# Altium PCB ST-Link-V1.0.PcbDoc
Units mm, origin at the board's own origin, x right, y up, seen from the top; angles counter-clockwise.
Board outline 30 x 15 mm, 2 copper layers (Top Layer, Bottom Layer); 47 components, 48 nets, 156 pads, 35 vias.
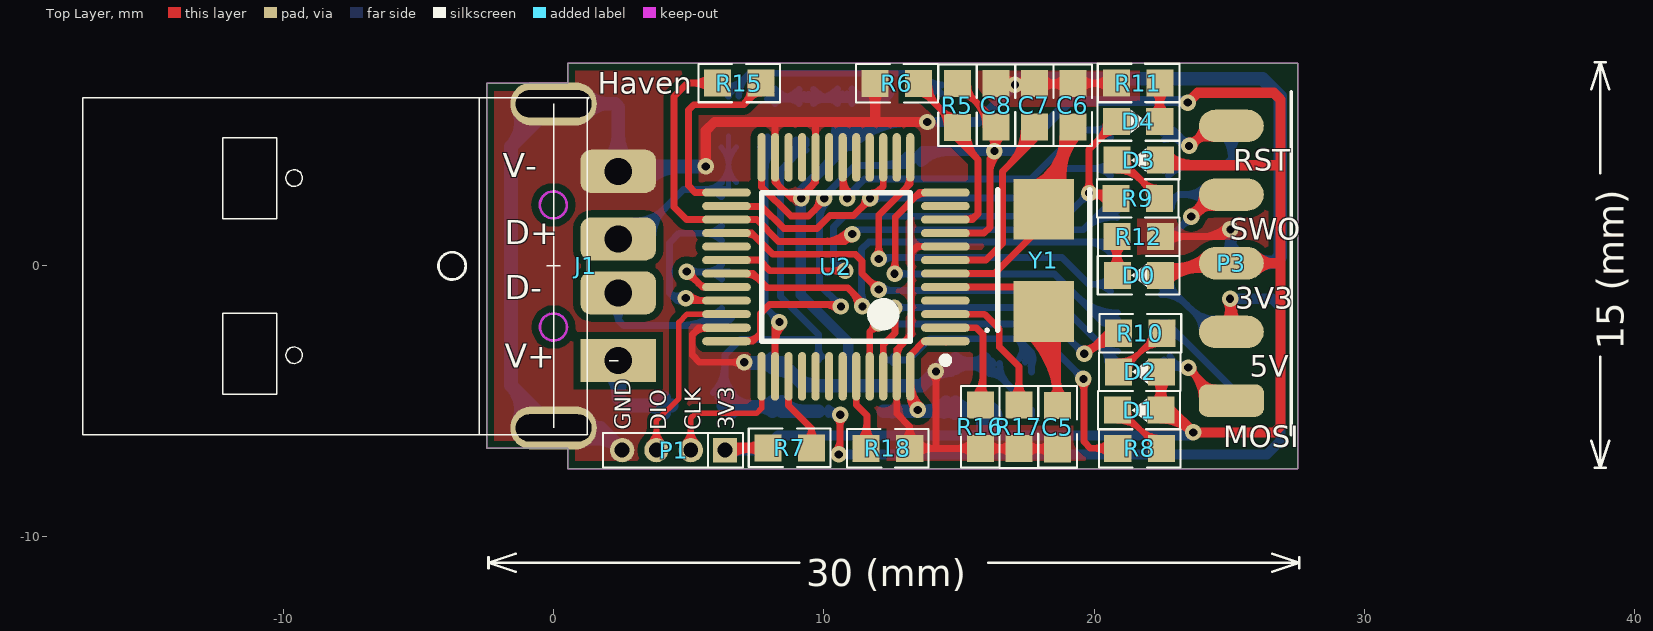
[diagram p0: Top Layer view]
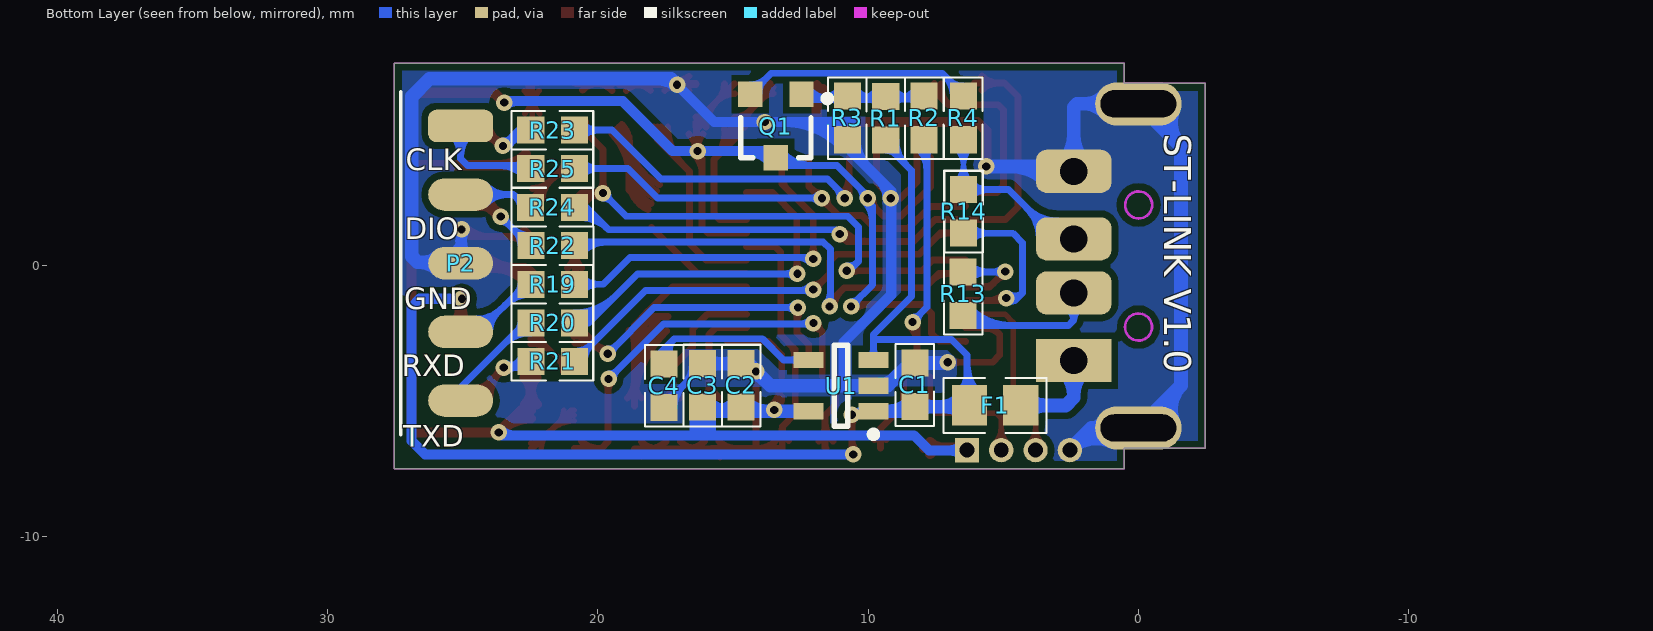
[diagram p1: Bottom Layer view, seen from below]

## Layer stack, top to bottom
Top Solder: solder mask 0.0102, Solder Resist, Dk 3.5
Top Layer: signal copper 0.0356
Dielectric1: dielectric 0.32, FR-4, Dk 4.8
Bottom Layer: signal copper 0.0356
Bottom Solder: solder mask 0.0102, Solder Resist, Dk 3.5

## Board outline
-2.477,-6.253 -2.477,6.75 0.523,6.75 0.523,7.5 27.523,7.5 27.523,-7.5 0.523,-7.5 0.523,-6.75 -2.477,-6.75

## Design rules (kind name [scope] priority, off if disabled: settings)
Clearance Clearance_GND [InPolygon] p1: gap=0.254 ignorepadtopadclearanceinfootprint=FALSE except(0: Arc-Hole Track-Hole SMDPad-Hole THPad-Hole Via-Hole Fill-Hole Poly-Hole Region-Hole Text-Hole)
Clearance [All] p2: gap=0.178 ignorepadtopadclearanceinfootprint=FALSE except(0: Arc-Hole Track-Hole SMDPad-Hole THPad-Hole Via-Hole Fill-Hole Poly-Hole Region-Hole Text-Hole)
DiffPairsRouting [All] p1: maxlimit=0.254 minlimit=0.254 mostfreqgap=0.254 toplayer_minwidth=0.381 toplayer_maxwidth=0.381 toplayer_prefwidth=0.381 bottomlayer_minwidth=0.381 bottomlayer_maxwidth=0.381 bottomlayer_prefwidth=0.381 maxuncoupledlength=12.7
HoleToHoleClearance [All] p1 off: gap=0.254 allowstackedmicrovias=TRUE
MinimumSolderMaskSliver [All] p1 off: minsoldermaskwidth=0.254
PlaneConnect [All] p1: planeconnectstyle=Direct reliefexpansion=0.508 reliefentries=4 reliefconductorwidth=0.254 reliefairgap=0.254
PolygonConnect [All] p1: connectstyle=Direct reliefconductorwidth=0.254 reliefentries=4 polygonreliefangle="90 Angle" airgapwidth=0.254
RoutingVias [All] p1: holewidth=0.305 width=0.61 viastyle="Through Hole" minholewidth=0.305 minwidth=0.61 maxholewidth=0.305 maxwidth=0.61
SilkToSilkClearance [All] p1 off: silktosilkclearance=0.254
SilkToSolderMaskClearance SilkscreenOverComponentPads [IsPad] p1 off: minsilkscreentomaskgap=0.254 clearancetoexposedcopper=TRUE
SolderMaskExpansion [All] p1: expansion=0.102
Width [All] p1: maxlimit=0.508 minlimit=0.203 preferedwidth=0.203
24 further rules are at their usual default settings.

## Classes and differential pairs
differential pair USB: +USB_P -USB_N

## Components (designator, comment, footprint, x,y, rotation, side; value= is the part's Value field where it differs from the comment)
C1 "Cap" C-0603 8.27,-4.408 r270 bottom
C2 "Cap" C-0603 14.695,-4.428 r270 bottom
C3 "Cap" C-0603 16.123,-4.428 r270 bottom
C4 "Cap" C-0603 17.548,-4.43 r90 bottom
C5 "Cap" C-0603 18.648,-5.956 r90 top
C6 "Cap" C-0603 19.209,5.941 r270 top
C7 "Cap" C-0603 17.786,5.941 r270 top
C8 "Cap" C-0603 16.368,5.939 r270 top
D0 "PWR" SMT_LED_0603 21.656,-0.347 r180 top
D1 "DIN" SMT_LED_0603 21.67,-5.338 r180 top
D2 "DOUT" SMT_LED_0603 21.696,-3.92 r180 top
D3 "LED" SMT_LED_0603 21.65,3.913 r180 top
D4 "LED" SMT_LED_0603 21.625,5.347 r0 top
F1 "Fuse1" 0805-1 5.305,-5.162 r0 bottom
J1 "USB" USB-B 1.197,-0.001 r90 top
P1 "SWD" SIP4-1.27 6.345,-6.817 r0 top
P2 "P-BOTTOM" HEADER_5 25.075,5.179 r270 bottom
P3 "P-TOP" HEADER_5 25.075,-4.981 r90 top locked
Q1 "NPN" SOT23-3 13.412,5.175 r0 bottom
R1 "Res1" 0603-1 9.347,5.454 r90 bottom
R2 "Res1" 0603-1 7.925,5.479 r270 bottom
R3 "Res1" 0603-1 10.77,5.479 r270 bottom
R4 "Res1" 0603-1 6.477,5.479 r270 bottom
R5 "Res2" 0603-1 14.942,5.928 r90 top
R6 "Res2" 0603-1 12.694,6.753 r0 top
R7 "Res2" 0603-1 8.745,-6.732 r180 top
R8 "Res2" 0603-1 21.67,-6.747 r0 top
R9 "Res2" 0603-1 21.62,2.494 r180 top
R10 "Res2" 0603-1 21.696,-2.492 r0 top
R11 "Res2" 0603-1 21.63,6.766 r0 top
R12 "Res2" 0603-1 21.657,1.085 r180 top
R13 "Res2" 0603-1 6.484,-1.036 r90 bottom
R14 "Res2" 0603-1 6.471,2.021 r270 bottom
R15 "Res2" 0603-1 6.857,6.766 r0 top
R16 "Res1" 0603-1 15.79,-5.937 r270 top
R17 "Res1" 0603-1 17.214,-5.946 r270 top
R18 "Res2" 0603-1 12.377,-6.751 r180 top
R19 "Res2" 0603-1 21.666,-0.68 r0 bottom
R20 "Res2" 0603-1 21.666,-2.106 r0 bottom
R21 "Res2" 0603-1 21.666,-3.532 r0 bottom
R22 "Res2" 0603-1 21.662,0.75 r0 bottom
R23 "Res2" 0603-1 21.667,5.022 r0 bottom
R24 "Res2" 0603-1 21.67,2.167 r0 bottom
R25 "Res2" 0603-1 21.667,3.603 r0 bottom
U1 "SPX3819" SOT23-5 11.002,-4.43 r0 bottom
U2 "STM32F103CBT6" LQFP48_N 10.446,-0.036 r180 top locked
Y1 "8M" "XAL5032 2-Leads" 18.136,0.219 r90 top

## Footprints (in the part's own frame and the unit in brackets; to place one, negate y for a bottom-side part, rotate by r counter-clockwise, add the part's x,y. Pads: shape width x height; smd on the part's side, far side on the other; paste and mask are expansions set on the pad)
0603-1 [mm]
  rect 1x1 smd: 1(-0.799,0) 2(0.813,0)
  silkscreen extent -1.5,-0.71 1.52,0.71, body extent -0.8,-0.4 0.8,0.4, height 0.3
0805-1 [mm] "080"
  rect 1.3x1.5 smd: 1(-0.95,0) 2(0.95,0)
  silkscreen extent -1.91,-1.02 1.91,1.02, body extent -1,-0.62 1,0.63, height 0.5
C-0603 [mm] "贴?"
  rect 1x1 smd: 1(-0.813,0) 2(0.799,0)
  silkscreen extent -1.51,-0.71 1.51,0.71, body extent -0.8,-0.4 0.8,0.4, height 0.3
HEADER_5 [mm]
  rrect50% 1.2x2.4 smd: 1(0,0)
  oval 1.2x2.4 smd: 2(2.54,0) 3(5.08,0) 4(7.62,0) 5(10.16,0)
  silkscreen extent -1.27,-2.21 11.43,-2.21, body extent -1.27,-10.75 11.43,0.79, height 1.78
LQFP48_N [mm] "Thin QFP, 48-Leads, Body 7x7mm, Pitch 0.5mm, IPC Medium Density"
  oval 1.8x0.3 smd: 1(-4.05,2.75) 2(-4.05,2.25) 3(-4.05,1.75) 4(-4.05,1.25) 5(-4.05,0.75) 6(-4.05,0.25) 7(-4.05,-0.25) 8(-4.05,-0.75) 9(-4.05,-1.25) 10(-4.05,-1.75) 11(-4.05,-2.25) 12(-4.05,-2.75) 25(4.05,-2.75) 26(4.05,-2.25) 27(4.05,-1.75) 28(4.05,-1.25) 29(4.05,-0.75) 30(4.05,-0.25) 31(4.05,0.25) 32(4.05,0.75) 33(4.05,1.25) 34(4.05,1.75) 35(4.05,2.25) 36(4.05,2.75)
  oval 0.3x1.8 smd: 13(-2.75,-4.05) 14(-2.25,-4.05) 15(-1.75,-4.05) 16(-1.25,-4.05) 17(-0.75,-4.05) 18(-0.25,-4.05) 19(0.25,-4.05) 20(0.75,-4.05) 21(1.25,-4.05) 22(1.75,-4.05) 23(2.25,-4.05) 24(2.75,-4.05) 37(2.75,4.05) 38(2.25,4.05) 39(1.75,4.05) 40(1.25,4.05) 41(0.75,4.05) 42(0.25,4.05) 43(-0.25,4.05) 44(-0.75,4.05) 45(-1.25,4.05) 46(-1.75,4.05) 47(-2.25,4.05) 48(-2.75,4.05)
  silkscreen extent -4.18,-2.75 2.75,3.57, body extent -3.5,-3.5 3.5,3.5, height 1.6
SIP4-1.27 [mm]
  rect 0.9x0.9 hole 0.55: 1(0,0)
  round 0.9 hole 0.55: 2(-1.27,0) 3(-2.54,0) 4(-3.81,0)
  silkscreen extent -4.52,-0.64 0.66,0.64
SMT_LED_0603 [mm] "SMT LED"
  rect 1x1 smd: 1(-0.8,0) 2(0.8,0)
  silkscreen extent -1.5,-0.71 1.52,0.71, body extent -0.81,-0.4 0.81,0.4, height 0.6
SOT23-3 [mm]
  rect 0.9x0.95 smd: 1(-0.95,-1.175) 2(0.95,-1.175) 3(0,1.175)
  silkscreen extent -2.03,-1.14 1.3,1.18, body extent -1.45,-1.4 1.45,1.4, height 1.2
SOT23-5 [mm] "Max4173"
  rect 1.1x0.6 smd: 1(-1.2,0.95) 2(-1.2,0) 3(-1.2,-0.95) 4(1.2,-0.95) 5(1.2,0.95)
  silkscreen extent -1.32,-1.5 0.25,1.92, body extent -1.4,-1.45 1.4,1.45, height 1.2
USB-B [mm]
  rect 1.6x2.8 hole 1: 1(-3.5,-1.195)
  rrect50% 1.6x2.8 hole 1: 2(-1,-1.195) 3(1,-1.195) 4(3.5,-1.195)
  oval 1.6x3.2 hole 1 slot 2.8 at 90 deg: 5(5.994,1.195) 6(-5.994,1.195)
  silkscreen extent -6.25,-1.2 6.25,18.62, body extent -6.25,-1.43 6.25,18.6, height 4.52
"XAL5032 2-Leads" [mm] "DFN, 2-Leads, Body 3.20x5.00mm, Pitch 3.70mm, IPC Low Density"
  rect 2.25x2.25 smd: 1(-1.905,0) 2(1.88,0)
  silkscreen extent -2.65,-1.7 2.6,2.15, body extent -2.6,-1.7 2.6,1.7, height 0.45

## Part data
C1 C2 C3 C4 C8: "Capacitor"
D0 D1 D2 D3 D4: library part LED2, "Typical RED, GREEN, YELLOW, AMBER GaAs LED"
F1: "保险丝"
J1: "USB接?"
P1: library part "Header 4", "Header, 4-Pin"
P2 P3: library part "Header 5", "Header, 5-Pin"
Q1: library part NPN1, "贴片"
R1 R2 R3 R4 R16 R17: "贴片"
R5 R6 R7 R8 R9 R10 R11 R12 R13 R14 R15 R18 R19 R20 R21 R22 R23 R24 R25: "Resistor"
U2: library part STM32F103C8T6, "STM32 ARM-based 32-bit MCU with 64 Kbytes Flash, 48-pin LQFP, Industrial Temperature"
Y1: library part XTAL, "Crystal Oscillator"

## Via types
v1: diameter 0.61, hole 0.305, Top Layer to Bottom Layer, 35 vias

## Nets (pads, with @x,y where several pads share a name; then routed paths per layer and width w, separated by ;. In a path a pad name is that pad's centre, name@x,y a point inside that pad or via, vN(x,y) a via of type N, cw(c..) or ccw(c..) an arc to the next point about the centre after c; other vN are vias at no path point)
3.3V: C2.2 C3.2 C8.2 D0.1 D1.1 D2.1 D3.1 P1.1 P3.3 Q1.3 R5.2 R7.2 U1.5 U2.1 U2.9 U2.24 U2.36 U2.48 | length 135.4
  Top Layer w0.254: U2.36@6.402,-2.793 U2.36 7.37,-2.787 7.652,-2.505 7.652,-1.755 7.982,-1.424 v1@10.628,-1.424 ; U2.36@7.146,-2.764 ccw(c7.146,-2.168) 7.567,-2.589 ; U2.24 7.696,2.92 8.775,1.841 9.435,1.841 10.011,2.417 v1(10.011,2.506) ; 9.644,2.05 ccw(c9.187,2.506) v1@9.833,2.506 ; 10.013,-1.424 cw(c10.013,-2.117) v1@10.503,-1.627 ; U2.48@13.196,-4.838 ccw(c13.967,-4.838) v1@13.422,-5.383 ; U2.48@13.196,-4.225 ccw(c14.58,-4.225) v1@13.601,-5.203 ; U2.48 13.196,-3.292 13.701,-2.787 U2.1 ; U2.48@13.229,-4.968 ccw(c13.558,-4.778) v1@13.502,-5.153 ; 13.272,-5.042 cw(c12.998,-5.201) v1@13.304,-5.283 ; U2.9 15.924,1.213 16.14,1.429 16.14,3.976 ; U2.1@14.522,-2.812 U2.1 ; R5.2@14.942,6.367 cw(c14.942,5.467) 15.579,6.104 cw(c16.215,6.74) R5.2@15.315,6.74 ; R5.2 16.368,5.315 C8.2 ; U2.1@15.205,-2.787 U2.1 ; 15.607,6.075 cw(c14.672,5.14) C8.2@15.995,5.14 ; 16.029,5.653 ccw(c16.368,5.992) C8.2@16.368,5.513 ; 16.041,5.641 cw(c15.539,5.14) C8.2@16.249,5.14 ; C8.2@16.104,4.876 cw(c15.506,4.278) v1@16.351,4.278 ; 16.14,3.411 cw(c17.147,3.411) v1@16.435,4.123 ; v1@16.183,4.374 ccw(c15.777,4.78) C8.2@16.351,4.78 ; v1@16.19,4.38 ccw(c16.029,4.558) 16.26,4.619 ; v1@16.221,4.403 ccw(c15.927,4.922) C8.2@16.503,4.768 ; 16.275,4.562 ccw(c16.529,4.63) v1@16.398,4.403 ; v1@16.351,4.188 C8.2@16.351,5.203 ; v1@16.351,4.201 cw(c17.307,4.201) C8.2@16.631,4.876 ; 16.351,4.575 ccw(c16.635,4.575) v1@16.435,4.374 ; D1.1 D1.1@22.835,-5.338 ; v1@23.634,-6.136 23.639,-6.136 v1(23.665,-6.162)
  Top Layer w0.381: P1.1@6.327,-6.658 6.402,-6.732 R7.2 ; P1.1@6.528,-7.001 cw(c7.177,-7.649) 7.177,-6.732 ; R7.2@7.713,-6.951 ccw(c7.185,-7.479) 7.185,-6.732 ccw(c7.185,-5.985) R7.2@7.713,-6.513 ; D1.1@22.251,-5.119 ccw(c21.723,-4.59) 22.47,-4.59 ccw(c23.217,-4.59) D1.1@22.689,-5.119 ; D2.1@22.277,-4.139 cw(c21.81,-4.606) 22.47,-4.606 ; D0.1@22.406,-0.296 cw(c22.93,-0.821) D0.1@22.93,-0.079 ; D3.1 22.635,3.728 26.885,3.728 26.89,3.724 ; D0.1 22.724,-0.079 24.897,-0.079 P3.3 26.815,0.099 26.89,0.024 ; D1.1@22.47,-5.647 cw(c22.47,-7.289) v1@23.631,-6.128 ; D1.1 22.47,-3.946 D2.1 ; D1.1@22.47,-5.266 cw(c22.47,-5.988) 22.981,-5.478 ; 22.47,-4.729 cw(c23.304,-4.729) D2.1@22.714,-4.139 ; D3.1@22.668,4.132 ccw(c23.643,5.107) 23.643,3.728 ; D0.1@22.675,-0.566 cw(c23.85,-1.74) 23.85,-0.079 ; D1.1@22.835,-5.338 22.841,-5.338 v1@23.639,-6.136 ; 23.057,-0.079 ccw(c23.057,1.518) P3.3@24.186,0.388 ; v1(23.461,6.041) 23.825,6.405 26.644,6.405 26.89,6.16 26.89,3.724 ; v1(23.665,-6.162) 26.669,-6.162 26.89,-5.942 26.89,0.024 ; P3.3@25.965,-0.191 cw(c26.664,-0.89) 26.664,0.099 cw(c26.664,1.088) P3.3@25.965,0.388 ; 26.89,0.024 26.89,3.724
  Bottom Layer w0.254: 9.841,1.667 cw(c10.85,1.667) v1@10.137,2.381 ; v1@10.011,2.684 ccw(c10.011,2.952) 10.2,2.763 ; v1@10.189,2.506 cw(c10.78,2.506) 10.362,2.924 ; 10.315,-1.174 cw(c9.987,-1.502) v1@10.451,-1.502 ; 10.35,-1.208 ccw(c10.629,-0.929) v1@10.629,-1.324 ; v1@10.628,-1.424 10.64,-1.437 10.579,-1.437 9.841,-0.699 9.841,2.21 10.011,2.38 v1(10.011,2.506) 10.011,2.574 11.148,3.711 13.123,3.711 Q1.3 ; 11.995,3.711 ccw(c11.995,5.392) Q1.3@13.184,4.203 ; 12.608,3.711 ccw(c12.608,4.779) Q1.3@13.364,4.024 ; v1@13.329,-5.476 13.424,-5.38 13.441,-5.364 v1(13.476,-5.329)
  Bottom Layer w0.381: P1.1@6.102,-6.832 P1.1 ; P1.1@6.327,-6.658 6.496,-6.826 7.749,-6.826 8.303,-6.271 15.817,-6.271 ; P1.1@6.528,-7.001 cw(c6.951,-7.423) 6.951,-6.826 ; P1.1@6.528,-6.634 ccw(c6.992,-6.17) 6.992,-6.826 ; U1.5 12.219,-5.364 v1@13.441,-5.364 ; U1.5@12.53,-5.458 cw(c12.757,-5.685) 12.757,-5.364 ; 13.116,-5.364 ccw(c13.116,-4.969) v1@13.395,-5.248 ; Q1.3 13.661,4.249 v1(16.309,4.249) 17.229,4.249 19.079,6.098 23.404,6.098 v1(23.461,6.041) ; Q1.3@13.596,3.841 cw(c14.579,2.858) 14.579,4.249 ; C2.2@14.447,-5.476 14.542,-5.38 C2.2@14.559,-5.364 ; C2.2 C2.2@14.559,-5.364 ; C2.2@14.829,-5.517 14.692,-5.38 14.675,-5.364 C2.2@14.559,-5.364 ; C3.2@15.817,-5.642 cw(c16.372,-5.642) C3.2@16.086,-5.166 ; C3.2@16.16,-5.167 cw(c15.875,-5.636) C3.2@16.424,-5.636 ; C3.2@16.252,-5.517 16.004,-5.517 C3.2@15.834,-5.517 ; 23.048,6.098 cw(c23.048,5.628) v1@23.38,5.96 ; 23.125,-6.271 ccw(c23.125,-5.622) v1@23.584,-6.081 ; v1@23.599,-6.215 23.542,-6.271 16.424,-6.271 ; 15.817,-6.271 15.817,-5.534 C3.2@15.834,-5.517 ; 15.817,-6.271 16.424,-6.271 ; C3.2@15.834,-5.517 15.971,-5.38 C3.2 16.424,-5.529 16.424,-6.271
  Bottom Layer w0.508: U1.5 13.424,-5.38 14.542,-5.38 14.692,-5.38 C3.2@15.971,-5.38 ; v1@13.733,-5.38 ccw(c13.733,-4.265) C2.2@14.521,-5.054 ; C2.2@14.869,-5.054 ccw(c15.658,-4.265) C3.2@15.658,-5.38 ; C2.2@14.932,-5.16 ccw(c15.198,-5.083) 15.27,-5.351 ; C2.2@15.161,-5.38 ccw(c15.161,-4.265) C3.2@15.949,-5.054 ; C3.2@15.949,-5.402 cw(c15.529,-5.822) 16.123,-5.822 cw(c16.717,-5.822) C3.2@16.297,-5.402 ; C3.2 16.123,-6.062 16.13,-6.069
  other v1: 10.629,-1.502
5V: C1.2 F1.2 P3.2 R1.1 U1.1 U1.3 | length 60.8
  Top Layer w0.254: v1@10.42,-6.851 ccw(c9.994,-6.424) 10.597,-6.424 ; v1@10.477,-5.629 cw(c10.189,-5.917) 10.597,-5.917 ; v1(10.546,-6.976) 10.597,-6.926 10.597,-5.51 v1(10.603,-5.503) ; 10.597,-6.67 ccw(c10.852,-6.67) v1@10.671,-6.851 ; 10.597,-5.948 cw(c11.048,-5.948) v1@10.729,-5.629 ; P3.2@24.741,-2.107 ccw(c23.933,-1.299) 25.075,-1.299 ccw(c26.217,-1.299) P3.2@25.41,-2.107 ; v1@24.879,-1.319 cw(c24.443,-1.618) 24.953,-1.755 ; v1@24.9,-1.345 cw(c24.476,-1.769) 25.075,-1.769 ; v1@24.936,-1.373 cw(c24.675,-1.826) 25.18,-1.69 ; v1(25.025,-1.219) 25.075,-1.269 P3.2 ; 25.075,-1.528 cw(c25.334,-1.528) v1@25.151,-1.345 ; 25.146,-1.563 cw(c25.47,-1.476) v1@25.179,-1.308
  Bottom Layer w0.254: F1.2@5.905,-4.69 ccw(c4.854,-3.64) 6.34,-3.64 ; F1.2@6.084,-4.87 ccw(c5.467,-4.253) 6.34,-4.253 ; 6.34,-3.955 ccw(c7.379,-3.955) F1.2@6.644,-4.69 ; F1.2@6.498,-5.334 6.34,-5.177 6.34,-3.295 6.908,-2.727 9.802,-2.727 ; 8.592,3.732 ccw(c7.669,4.655) R1.1@8.974,4.655 ; 8.996,4.136 cw(c9.347,3.785) R1.1@9.347,4.282 ; R1.1@9.025,4.166 ccw(c8.537,4.655) R1.1@9.228,4.655 ; R1.1 9.347,4.487 8.397,3.538 8.397,-1.136 9.802,-2.541 9.802,-2.727 ; U1.3@9.68,-3.358 ccw(c9.384,-3.063) 9.802,-3.063 ccw(c10.22,-3.063) U1.3@9.924,-3.358 ; U1.1 10.48,-5.38 v1(10.603,-5.503) ; U1.3 9.802,-2.727 ; U1.1@9.877,-5.38 cw(c9.877,-6.23) v1@10.477,-5.629 ; U1.1@10.174,-5.503 cw(c10.47,-5.798) 10.47,-5.38 cw(c10.47,-4.963) U1.1@10.174,-5.258 ; v1(10.546,-6.976) v1@10.63,-7.061
  Bottom Layer w0.381: v1(10.546,-6.976) 26.391,-6.976 26.892,-6.475 26.892,-1.527 26.585,-1.219 v1(25.025,-1.219)
  Bottom Layer w0.508: F1.2@6.274,-5.16 F1.2@6.61,-5.222 ; F1.2@6.498,-5.334 F1.2@6.61,-5.222 ; F1.2@6.554,-5.44 cw(c7.116,-6.002) 7.116,-5.207 ; F1.2@6.554,-4.88 ccw(c7.345,-4.09) 7.345,-5.207 ; C1.2@8.097,-5.381 ccw(c7.677,-5.801) 7.677,-5.207 ccw(c7.677,-4.614) C1.2@8.097,-5.033 ; C1.2@8.444,-5.033 ccw(c9.282,-4.196) U1.1@9.282,-5.38 ; U1.1 8.443,-5.38 C1.2 6.625,-5.207 F1.2@6.61,-5.222
BOOT0: R18.2 U2.44 | length 4.3
  Top Layer w0.254: U2.44 11.196,-5.136 11.589,-5.529 11.589,-6.726 R18.2 ; R18.2@11.3,-6.488 ccw(c10.603,-5.79) 11.589,-5.79 ; 11.589,-5.911 ccw(c12.404,-5.911) R18.2@11.828,-6.488
GND: C1.1 C2.1 C3.1 C4.1 C5.1 C6.1 C7.1 C8.1 J1.4 J1.5 J1.6 P1.4 P2.3 R3.2 R6.1 R11.1 R12.1 R16.2 R17.2 R18.1 U1.2 U2.8 U2.20 U2.23 U2.35 U2.47 | length 204.2
  Top Layer w0.254: J1.6@-0.261,-5.995 J1.6 ; 5.159,-2.511 cw(c5.646,-2.999) U2.35@5.646,-2.31 ; U2.35 5.384,-2.287 5.13,-2.54 5.13,-3.291 5.405,-3.565 v1(7.051,-3.565) ; v1@6.926,-3.691 ccw(c6.622,-3.994) 6.622,-3.565 ccw(c6.622,-3.136) v1@6.926,-3.439 ; 8.098,5.324 8.196,5.226 U2.23 8.196,3.105 8.794,2.506 ; U2.23@8.219,3.263 ccw(c8.658,3.263) 8.348,2.953 ; v1@9.021,2.396 ccw(c8.794,2.217) 8.794,2.506 ; v1@9.021,2.617 cw(c8.794,2.795) 8.794,2.506 ; v1@9.161,2.684 ccw(c9.161,2.981) 9.371,2.771 ; v1@9.339,2.506 cw(c9.901,2.506) 9.503,2.904 ; 9.539,2.939 ccw(c9.214,3.263) U2.20@9.673,3.263 ; 9.678,5.324 9.696,5.306 U2.20 9.696,3.096 9.161,2.561 v1(9.161,2.506) 8.794,2.506 ; R6.1@11.895,6.669 R6.1 ; U2.47@12.719,-3.337 cw(c13.362,-3.337) 12.908,-2.882 ; R18.1@12.934,-6.467 ccw(c12.49,-5.945) 13.176,-5.945 ccw(c13.862,-5.945) R18.1@13.418,-6.467 ; R18.1@13.44,-7.015 cw(c14.082,-7.657) 14.082,-6.749 ; R18.1@13.44,-6.488 ccw(c14.071,-5.856) 14.071,-6.749 ; v1@14.018,-4.027 cw(c13.715,-4.331) 14.144,-4.331 cw(c14.573,-4.331) v1@14.27,-4.027 ; v1(14.144,-3.902) 14.144,-6.736 14.13,-6.749 ; U2.8 13.449,0.713 13.231,0.495 13.231,-2.558 12.696,-3.093 U2.47 12.696,-5.465 13.176,-5.945 R18.1 13.178,-6.749 14.13,-6.749 ; R16.2@15.474,-7.065 R16.2 ; R16.2@15.526,-7.013 ccw(c14.889,-7.65) 14.889,-6.749 ccw(c14.889,-5.849) R16.2@15.526,-6.486 ; R16.2@16.053,-7.013 cw(c16.643,-7.603) 16.643,-6.769 ; R16.2@16.053,-6.486 ccw(c16.737,-5.802) R17.2@16.737,-6.769 ; 16.29,-6.769 ccw(c16.29,-5.835) R17.2@16.95,-6.495 ; 16.337,-6.769 cw(c16.337,-7.636) R17.2@16.95,-7.023 ; C8.1@16.368,6.704 16.37,6.707 C6.1@19.209,6.707 ; C8.1 v1@17.018,6.752 ; C8.1@16.516,6.752 cw(c16.516,6.147) 16.944,6.575 ccw(c16.626,6.257) C8.1@16.626,6.707 ; C8.1@16.631,6.488 cw(c17.159,5.961) v1@17.159,6.707 ; C8.1@16.631,7.016 ccw(c17.378,7.762) C7.1@17.378,6.707 ; C8.1@16.641,7.01 cw(c16.345,6.525) v1@16.897,6.659 ; C8.1@16.655,6.707 ccw(c16.655,7.115) 16.944,6.826 cw(c16.765,7.006) C8.1@16.765,6.752 ; C8.1@16.689,6.563 cw(c17.018,6.371) v1@17.018,6.752 ; C8.1@16.689,6.94 ccw(c17.018,7.133) v1@17.018,6.752 ; C8.1@16.771,6.707 ccw(c16.771,7.769) C7.1@17.523,7.018 ; C8.1@16.808,6.908 ccw(c16.96,7.156) v1@17.028,6.873 ; v1@17.001,6.707 cw(c17.001,5.968) C7.1@17.523,6.49 ; v1(17.07,6.701) v1@17.018,6.752 ; v1@17.104,6.78 ccw(c17.185,7.082) C7.1@17.459,6.932 ; v1@17.178,6.56 cw(c17.327,6.368) 17.39,6.602 cw(c17.445,6.807) v1@17.241,6.749 ; v1@17.195,6.575 cw(c17.514,6.257) C7.1@17.514,6.707 ; v1@17.195,6.826 ccw(c17.484,7.115) C7.1@17.484,6.707 ; v1@17.231,6.746 cw(c17.132,6.376) C7.1@17.463,6.568 ; R17.2@17.478,-7.023 cw(c18.091,-7.636) 18.091,-6.769 ; R17.2@17.478,-6.495 ccw(c18.138,-5.835) 18.138,-6.769 ; C7.1@18.05,6.49 cw(c18.572,5.968) 18.572,6.707 ; C7.1@18.05,7.018 ccw(c18.802,7.769) C6.1@18.802,6.707 ; C7.1@18.194,6.707 ccw(c18.194,7.769) C6.1@18.946,7.018 ; C5.1@18.385,-7.033 ccw(c17.748,-7.669) 17.748,-6.769 ccw(c17.748,-5.868) C5.1@18.385,-6.505 ; 18.424,6.707 cw(c18.424,5.968) C6.1@18.946,6.49 ; 18.524,6.781 ccw(c18.605,7.087) C6.1@18.883,6.934 ; C5.1 15.77,-6.769 R16.2 ; 18.653,6.746 cw(c18.554,6.376) C6.1@18.886,6.568 ; C6.1@19.431,6.754 20.819,6.754 R11.1 ; C6.1@19.473,6.49 cw(c20.11,5.854) 20.11,6.754 cw(c20.11,7.655) C6.1@19.473,7.018 ; 19.901,6.754 ccw(c19.901,7.696) R11.1@20.567,7.03 ; 19.96,6.754 cw(c19.96,5.895) R11.1@20.567,6.503 ; R12.1@22.682,1.312 R12.1 24.773,1.085 ; R12.1@22.719,0.822 cw(c23.356,0.185) 23.356,1.085 cw(c23.356,1.986) R12.1@22.719,1.349 ; 23.969,1.085 ccw(c23.969,2.419) v1@24.912,1.476 ; 24.582,1.085 ccw(c24.582,1.805) v1@25.092,1.296 ; v1@24.861,1.332 cw(c24.557,1.301) 24.773,1.085 ; v1@25.02,1.173 ccw(c24.989,0.869) 24.773,1.085 ; v1(25.038,1.35) 24.773,1.085 ; 14.13,-6.749 R16.2
  Top Layer w0.381: v1(5.628,3.681) 5.628,4.998 5.954,5.324 8.098,5.324 9.678,5.324 v1(13.826,5.324) ; R6.1@11.676,6.534 cw(c11.148,6.005) 11.895,6.005 cw(c12.642,6.005) R6.1@12.114,6.534 ; 11.895,5.461 R6.1@11.895,6.669
  Bottom Layer w0.254: J1.5@1.034,5.955 1.073,5.994 J1.5@1.311,6.232 ; J1.4 J1.4@2.574,3.681 ; U1.2 9.819,-4.414 10.901,-4.414 13.632,-4.414 13.654,-4.414 ; U1.2@10.174,-4.553 cw(c10.51,-4.889) 10.51,-4.414 ; U1.2@10.174,-4.308 ccw(c10.429,-4.053) 10.429,-4.414 ; 13.591,-4.454 ccw(c13.134,-3.744) v1@13.968,-3.874 ; 13.825,-4.243 ccw(c13.484,-3.902) v1@13.966,-3.902 ; 13.878,-4.19 cw(c14.144,-4.456) v1@14.144,-4.08 ; v1@14.083,-3.985 cw(c14.687,-4.589) C2.1@14.694,-3.735 ; v1(14.144,-3.902) v1@14.144,-3.924 ; C2.1@14.254,-3.762 ccw(c14.36,-3.628) 14.445,-3.776 ccw(c14.583,-4.014) C2.1@14.316,-3.946 ; C2.1@14.462,-3.907 ccw(c14.312,-4.092) v1@14.144,-3.924 ; C2.1@14.692,-3.989 ccw(c14.68,-5.439) 13.654,-4.413 ; C3.1@16.123,-3.989 cw(c16.123,-4.664) 16.6,-4.186 ; C3.1@16.248,-3.902 C3.1 16.123,-3.709 17.544,-5.13 C4.1@17.544,-5.257 ; C3.1@16.496,-3.616 ccw(c17.622,-3.616) 16.826,-4.412 ; 16.834,-4.42 cw(c16.012,-5.243) C4.1@17.175,-5.243 ; 17.097,-4.683 ccw(c17.548,-4.232) C4.1@17.548,-4.87 ; C4.1@17.684,-5.533 C4.1@17.684,-5.338 ; P2.3@24.741,0.433 ccw(c24.024,1.151) v1@25.038,1.151 ; v1@24.884,1.261 cw(c24.359,0.958) 24.944,0.802 ; v1@24.912,1.224 cw(c24.609,0.921) 25.038,0.921 cw(c25.467,0.921) v1@25.164,1.224 ; v1@24.949,1.196 cw(c24.743,0.839) 25.141,0.946 ; 25.009,1.043 cw(c25.253,0.977) v1@25.127,1.196 ; 25.038,0.718 ccw(c25.694,0.718) P2.3@25.23,0.254 ; v1@25.038,1.331 ccw(c26.307,1.331) P2.3@25.41,0.433 ; v1(25.038,1.35) 25.038,0.136 P2.3 ; 25.147,0.923 cw(c25.578,1.038) v1@25.192,1.261 ; 13.654,-4.414 v1@14.144,-3.924 ; C2.1@14.23,-3.838 ccw(c14.008,-3.616) 14.322,-3.616 cw(c14.008,-3.616) C2.1@14.23,-3.838
  Bottom Layer w0.381: 9.141,2.182 cw(c9.485,2.182) v1@9.242,2.426 ; v1(9.161,2.506) v1@9.161,2.777 ; v1@9.275,2.506 cw(c10.204,2.506) 9.547,3.163 ; 10.042,3.658 ccw(c9.034,4.666) R3.2@10.46,4.666 ; R3.2@10.45,4.986 cw(c11.263,4.173) 11.263,5.324 ; R3.2@10.719,4.717 cw(c12.183,3.253) 12.183,5.324 ; R3.2@10.789,4.975 cw(c10.812,5.324) 10.463,5.324 ; 10.901,-4.414 10.901,-2.824 9.141,-1.064 9.141,2.757 v1@9.161,2.777 ; R3.2@10.988,4.448 cw(c13.103,2.333) 13.103,5.324 ; v1(17.07,6.701) 15.693,5.324 v1(13.826,5.324) 10.463,5.324 ; v1@9.161,2.777 10.77,4.385 R3.2 10.463,4.973 10.463,5.324